# Altium PCB Booster_Main_Board.PcbDoc (part 4 of 13)
Units mm, origin at the board's own origin, x right, y up, seen from the top; angles counter-clockwise.
Board outline 400.01 x 117.51 mm, 4 copper layers (Component Side, Signal Layer 1, Power Plane, Solder Side), stack 1.604 mm thick; 1091 components, 573 nets, 3133 pads, 1954 vias.
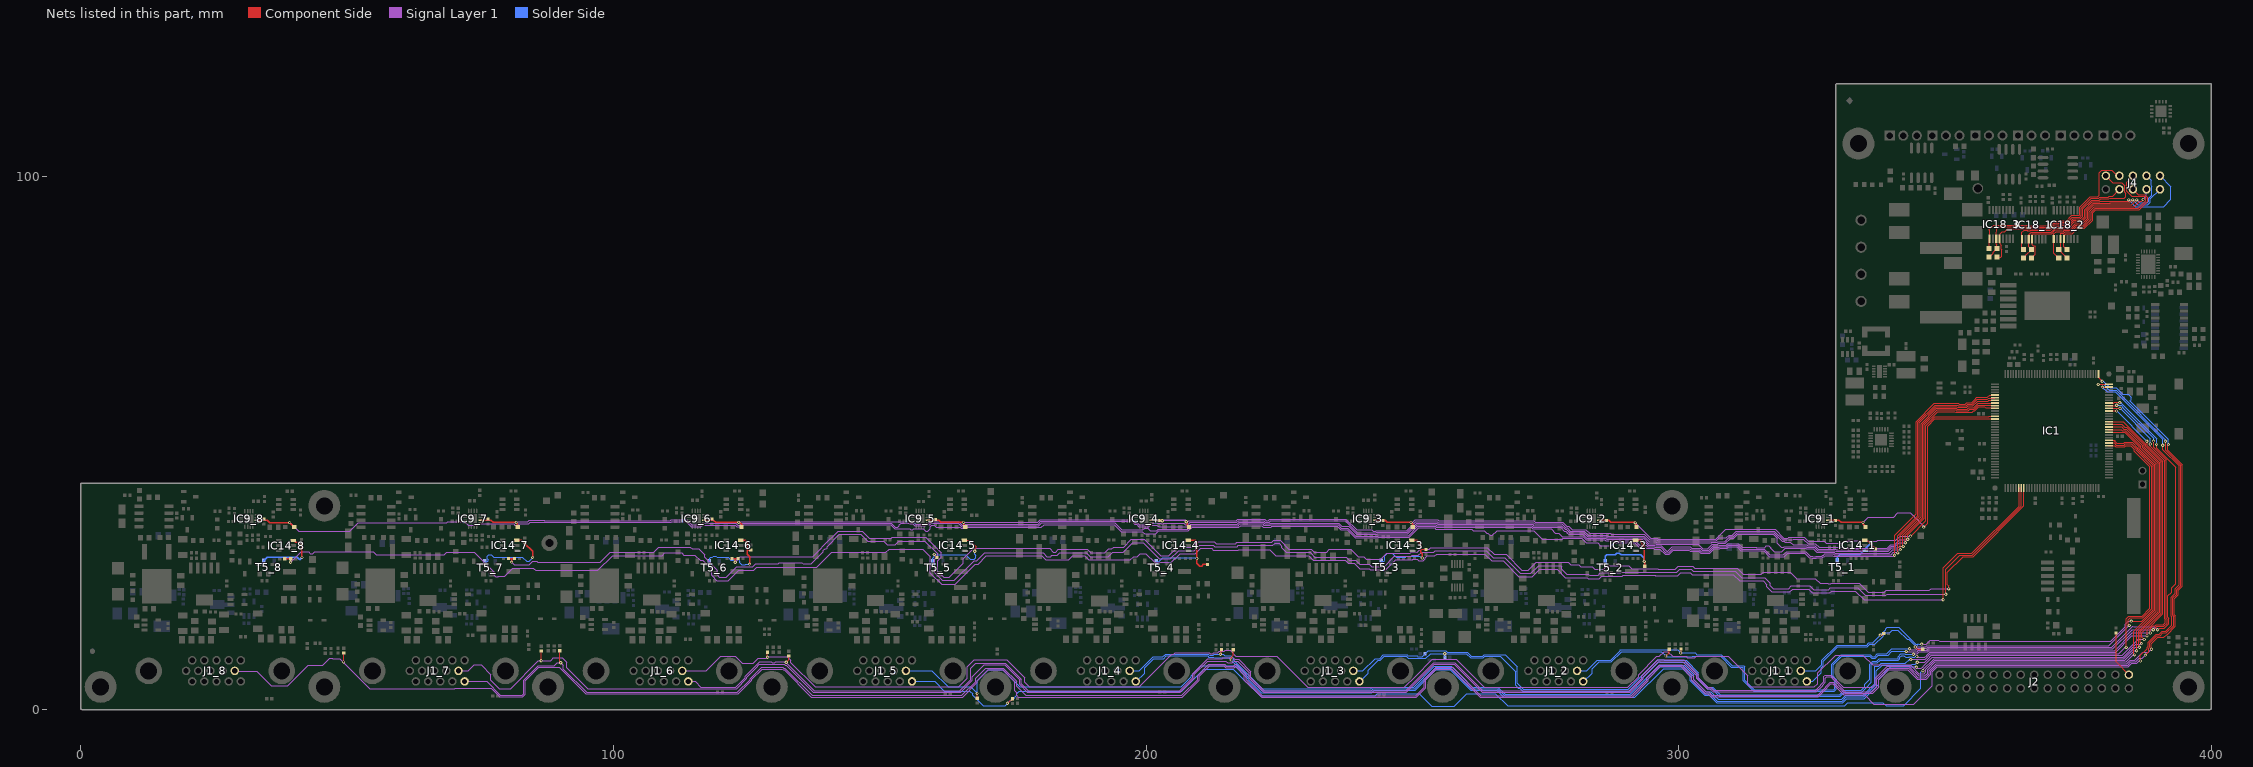
[diagram p6: the nets of this part, all layers, seen from the top]

## Via types
v1: diameter 0.6, hole 0.3, Component Side to Solder Side, tented both sides, 1808 vias
v2: diameter 0.6, hole 0.3, Component Side to Solder Side, 77 vias
v3: diameter 0.5, hole 0.3, Component Side to Solder Side, 40 vias
v4: diameter 1.27, hole 0.711, Component Side to Solder Side, tented both sides, 24 vias
v5: diameter 1.2, hole 0.8, Component Side to Solder Side, tented both sides, 5 vias

## Nets (pads, with @x,y where several pads share a name; then routed paths per layer and width w, separated by ;. In a path a pad name is that pad's centre, name@x,y a point inside that pad or via, vN(x,y) a via of type N, cw(c..) or ccw(c..) an arc to the next point about the centre after c; other vN are vias at no path point) (continued)
ADC_IN1: C79_8.1 IC1.35 J1_8.10 | length 468.8
  Component Side w0.152: v1(49.327,8.941) 49.352,8.966 C79_8.1@49.352,10.599 ; v1(379.527,60.528) 379.547,60.549 IC1.35@380.753,60.549 ; v1(386.664,9.119) 386.664,10.175 387.914,11.425 387.914,11.648 388.137,11.872 388.137,12.639 389.651,14.153 390.246,14.153 390.777,14.684 391.416,14.684 392.582,15.85 392.582,17.382 392.43,17.534 392.43,21.074 393.167,21.81 393.167,22.632 393.938,23.403 393.938,45.728 390.855,48.811 v1(390.855,49.632)
  Signal Layer 1 w0.152: J1_8.10@28.909,7.225 33.007,7.225 35.736,4.496 38.855,4.496 42.69,8.331 45.404,8.331 46.746,9.673 47.184,9.673 47.285,9.571 48.605,9.571 v1@49.093,9.083 ; v1@49.256,8.87 54.253,3.873 70.249,3.873 70.338,3.962 77.09,3.962 78.665,2.388 82.982,2.388 83.464,2.87 83.464,5.41 85.979,7.925 89.84,7.925 94.844,2.921 123.406,2.921 125.978,5.493 125.978,5.657 127.92,7.599 131.685,7.599 131.838,7.447 132.054,7.447 137.164,2.337 165.532,2.337 168.281,5.086 168.281,5.372 170.391,7.483 173.066,7.483 175.362,5.187 175.362,3.516 175.712,3.165 175.712,2.646 176.022,2.337 206.822,2.337 209.978,5.493 209.978,6.248 211.908,8.179 214.614,8.179 214.939,7.853 216.549,7.853 216.689,7.994 216.949,7.994 218.465,6.477 218.465,5.506 221.685,2.286 250.718,2.286 252.5,4.068 252.5,5.591 254.503,7.595 257.387,7.595 262.696,2.286 290.771,2.286 290.796,2.311 291.226,2.311 294.281,5.366 294.281,5.811 296.561,8.092 300.39,8.092 302.481,6.001 302.481,5.493 304.972,3.001 305.48,3.001 306.069,2.413 326.23,2.413 327.908,4.09 327.908,4.196 328.508,4.796 328.946,4.796 330.994,2.748 334.924,2.748 336.647,1.025 344.154,1.025 347.615,4.486 347.615,7.076 348.57,8.031 384.397,8.031 385.023,8.657 385.959,8.657 386.421,9.119 v1(386.664,9.119)
  Solder Side w0.152: v1(379.527,60.528) 380.416,59.639 381.975,59.639 390.835,50.78 390.835,49.652 v1(390.855,49.632)
ADC_IN2: C73_7.1 IC1.36 J1_7.5 | length 423.6
  Component Side w0.152: v1@89.941,8.788 C73_7.1@89.941,11.056 ; v1(378.752,61.049) 379.3,61.049 379.308,61.057 380.744,61.057 IC1.36@380.753,61.049 ; v1(387.604,10.211) 388.218,10.825 388.218,11.522 388.442,11.746 388.442,12.513 389.777,13.848 390.372,13.848 390.904,14.379 391.542,14.379 392.887,15.724 392.887,17.508 392.735,17.661 392.735,20.947 393.471,21.684 393.471,22.506 394.243,23.277 394.243,45.854 391.384,48.713 391.384,50.348 v1(391.363,50.368)
  Signal Layer 1 w0.152: J1_7.5@72.05,5.274 76.21,5.274 78.792,2.692 82.856,2.692 83.16,2.996 83.16,4.682 83.16,5.536 85.853,8.23 88.849,8.23 89.408,8.788 v1(90.119,8.788) 90.619,8.288 90.619,7.576 94.97,3.226 123.28,3.226 125.673,5.619 125.673,5.783 127.794,7.904 131.812,7.904 131.964,7.752 132.181,7.752 137.291,2.642 165.406,2.642 167.976,5.212 167.976,5.866 169.897,7.787 173.192,7.787 175.666,5.313 175.666,4.343 177.368,2.642 206.696,2.642 209.673,5.619 209.673,6.374 211.782,8.484 214.74,8.484 215.066,8.158 216.422,8.158 216.643,8.379 216.65,8.379 216.755,8.484 216.916,8.484 218.77,6.629 218.77,5.632 221.812,2.591 250.591,2.591 252.195,4.194 252.195,5.718 254.265,7.787 254.377,7.899 257.571,7.899 262.854,2.616 291.099,2.616 293.976,5.493 293.976,5.938 296.435,8.397 300.516,8.397 302.785,6.127 302.785,5.619 305.098,3.306 305.607,3.306 306.195,2.718 326.104,2.718 327.603,4.217 327.603,4.322 328.437,5.156 329.032,5.156 331.135,3.053 336.377,3.053 337.5,4.175 337.5,5.591 339.391,7.483 342.966,7.483 344.745,5.704 346.42,5.704 347.31,6.594 347.31,7.202 348.444,8.336 384.271,8.336 384.897,8.961 385.759,8.961 386.445,9.647 387.04,9.647 v1(387.604,10.211)
  Solder Side w0.152: v1(378.752,61.049) 378.76,61.057 379.746,61.057 380.055,60.747 380.055,60.685 380.797,59.944 382.107,59.944 382.107,59.939 391.363,50.682 v1(391.363,50.368)
ADC_IN3: C79_7.1 IC1.37 J1_7.10 | length 425.2
  Component Side w0.152: v1(86.411,9.144) 86.436,9.169 C79_7.1@86.436,11.005 ; IC1.37@378.803,62.999 378.803,62.319 v1(379.476,61.646) ; v1(388.747,11.303) 388.747,12.387 389.903,13.543 391.073,13.543 391.604,14.074 391.668,14.074 393.192,15.598 393.192,17.635 393.04,17.787 393.04,20.821 393.776,21.558 393.776,22.38 394.547,23.151 394.547,45.98 391.846,48.682 391.846,49.657 v1(391.922,49.733)
  Signal Layer 1 w0.152: J1_7.10@70.909,7.254 72.703,7.254 73.867,8.418 75.141,8.418 76.995,6.564 76.995,5.488 78.566,3.916 80.677,3.916 85.882,9.121 86.388,9.121 v1(86.411,9.144) 88.203,9.144 88.397,9.338 88.397,9.388 88.706,9.698 90.388,9.698 91.229,8.857 91.229,7.829 95.142,3.916 123.108,3.916 125.063,5.871 125.063,6.036 127.128,8.101 127.128,8.227 127.415,8.514 132.064,8.514 132.217,8.361 132.433,8.361 137.543,3.251 165.153,3.251 167.366,5.464 167.366,6.118 169.645,8.397 173.444,8.397 176.276,5.565 176.276,4.703 177.728,3.251 206.443,3.251 209.063,5.871 209.063,6.627 211.53,9.093 214.993,9.093 215.318,8.768 216.17,8.768 216.39,8.988 216.398,8.988 216.503,9.093 217.221,9.093 219.38,6.934 219.38,5.885 222.039,3.226 248.847,3.226 251.585,5.964 251.585,5.97 254.012,8.397 254.124,8.509 257.824,8.509 263.107,3.226 290.847,3.226 293.366,5.745 293.366,6.19 296.183,9.007 300.768,9.007 303.395,6.38 303.395,5.871 305.35,3.916 305.859,3.916 306.448,3.327 325.851,3.327 326.993,4.469 326.993,4.574 327.499,5.08 327.499,5.859 327.782,6.142 328.503,6.142 331.287,3.358 336.251,3.358 337.195,4.302 337.195,5.718 339.265,7.787 343.138,7.787 344.528,6.397 ; 344.508,6.377 344.876,6.009 346.293,6.009 347.005,6.721 347.005,7.329 348.317,8.641 384.145,8.641 384.77,9.266 385.633,9.266 387.106,10.739 388.183,10.739 v1(388.747,11.303)
  Solder Side w0.152: v1(379.476,61.646) 379.73,61.646 381,60.376 382.168,60.376 383.388,59.157 384.389,59.157 384.907,58.639 384.907,58.201 384.805,58.099 384.805,57.841 391.892,50.754 391.892,49.763 v1(391.922,49.733)
ADC_IN4: C73_6.1 IC1.18 J1_6.5 | length 356.2
  Component Side w0.152: v1(132.436,8.89) 132.918,9.373 C73_6.1@132.918,10.066 ; IC1.18@380.753,52.049 383.714,52.049 386.466,49.297 386.466,48.889 389.382,45.973 389.382,18.625 385.424,14.667 385.424,10.409 v1(385.572,10.262)
  Signal Layer 1 w0.152: J1_6.5@114.05,5.274 115.325,5.274 116.378,4.221 122.981,4.221 124.758,5.998 124.758,6.289 127.476,9.007 128.55,9.007 128.585,8.971 129.276,8.971 129.311,9.007 129.666,9.007 129.854,8.819 130.292,8.819 130.48,9.007 v1@132.219,9.007 ; v1@132.386,8.84 137.669,3.556 165.027,3.556 167.061,5.591 167.061,7.769 167.995,8.702 173.571,8.702 176.581,5.692 176.581,4.829 177.854,3.556 206.317,3.556 208.758,5.998 208.758,6.753 211.561,9.555 214.289,9.555 214.416,9.682 215.559,9.682 215.701,9.825 216.187,9.825 216.614,9.398 217.399,9.398 219.685,7.112 219.685,6.011 222.165,3.531 248.721,3.531 251.28,6.09 251.28,6.096 253.886,8.702 253.998,8.814 257.95,8.814 263.233,3.531 290.721,3.531 293.061,5.871 293.061,6.316 296.056,9.311 300.895,9.311 303.7,6.506 303.7,5.998 305.477,4.221 305.985,4.221 306.57,3.636 325.729,3.636 326.688,4.595 326.688,4.701 327.194,5.206 327.194,6.214 327.457,6.477 328.599,6.477 330.855,4.221 336.351,4.221 336.89,4.76 336.89,5.844 339.138,8.092 343.265,8.092 343.478,7.879 343.504,7.879 345.022,6.361 346.214,6.361 346.7,6.847 346.7,7.455 348.191,8.946 384.019,8.946 385.335,10.262 v1(385.572,10.262)
ADC_IN5: C79_6.1 IC1.19 J1_6.10 | length 357.8
  Component Side w0.152: v1@128.905,9.804 C79_6.1@128.905,10.777 ; v1@128.93,9.627 v1(128.93,9.804) ; IC1.19@380.753,52.549 383.092,52.549 383.287,52.353 383.84,52.353 386.771,49.423 386.771,49.016 389.687,46.1 389.687,18.498 385.953,14.765 v1(385.953,11.049)
  Signal Layer 1 w0.152: J1_6.10@112.909,7.254 117.423,7.254 120.152,9.983 122.855,9.983 124.176,8.661 126.269,8.661 127.224,9.616 128.742,9.616 v1(128.93,9.804) 129.002,9.876 132.628,9.876 133.269,9.235 133.269,8.819 137.842,4.245 164.854,4.245 166.452,5.843 166.452,8.021 167.742,9.311 173.823,9.311 177.19,5.944 177.19,5.082 178.027,4.245 198.708,4.245 204.797,10.335 205.152,10.335 205.473,10.655 211.863,10.655 212.049,10.47 212.487,10.47 212.672,10.655 213.463,10.655 213.725,10.917 214.69,10.917 214.894,11.12 215.754,11.12 216.867,10.008 217.653,10.008 217.678,9.983 224.5,9.983 230.342,4.14 248.468,4.14 250.671,6.343 250.671,6.349 253.633,9.311 253.745,9.423 258.202,9.423 263.486,4.14 290.468,4.14 292.452,6.124 292.452,6.569 295.866,9.983 296.332,9.983 297.241,10.892 297.932,10.892 298.841,9.983 301.358,9.983 301.587,9.754 303.035,9.754 303.264,9.983 308.862,9.983 309.245,9.982 312.928,6.299 312.928,4.734 313.417,4.245 325.476,4.245 326.079,4.848 326.079,6.877 329.438,10.236 334.537,10.236 336.376,8.397 343.417,8.397 343.561,8.253 343.599,8.215 345.078,6.736 346.065,6.736 346.396,7.066 346.396,7.581 348.065,9.25 383.748,9.25 385.547,11.049 v1(385.953,11.049)
ADC_IN6: C73_5.1 IC1.20 J1_5.5 | length 297.9
  Component Side w0.152: v1(173.959,1.188) 174.024,1.188 174.525,1.689 174.568,1.689 174.752,1.872 C73_5.1@174.93,1.872 ; IC1.20@380.753,53.049 383.171,53.049 383.561,52.658 383.966,52.658 387.075,49.549 387.075,49.142 389.992,46.226 389.992,18.372 386.329,14.71 386.329,11.841 v1(386.486,11.684)
  Signal Layer 1 w0.152: v1(345.846,7.264) 345.846,7.412 345.821,7.438 347.939,9.555 383.57,9.555 385.674,11.659 386.461,11.659 v1(386.486,11.684)
  Solder Side w0.152: J1_5.5@155.558,5.274 J1_5.5@156.05,5.274 160.335,5.274 162.129,3.48 166.903,3.48 167.442,2.942 167.442,2.677 169.398,0.721 173.571,0.721 173.959,1.109 v1(173.959,1.188) 174.735,1.964 175.022,1.964 175.712,2.654 175.712,2.992 176.2,3.48 206.672,3.48 210.787,7.595 216.377,7.595 221.406,2.565 243.002,2.565 243.438,3.001 251.28,3.001 253.629,0.653 257.828,0.653 260.176,3.001 265.556,3.001 267.871,0.686 331.114,0.686 331.724,1.295 338.333,1.295 338.908,0.721 342.192,0.721 345.465,3.994 345.465,6.985 345.77,7.29 345.796,7.264 v1(345.846,7.264)
ADC_IN7: C79_5.1 IC1.21 J1_5.10 | length 306.1
  Component Side w0.152: v1(168.275,3.023) 168.275,2.155 C79_5.1@168.285,2.146 ; IC1.21@380.753,53.549 383.154,53.549 383.739,52.963 384.093,52.963 387.38,49.675 387.38,49.268 390.296,46.352 390.296,18.246 386.634,14.584 386.634,12.629 v1(386.893,12.37)
  Signal Layer 1 w0.152: v1@344.588,7.752 345.557,7.752 345.867,8.061 345.867,8.106 347.621,9.86 383.444,9.86 385.797,12.213 386.736,12.213 v1(386.893,12.37)
  Solder Side w0.152: J1_5.10@154.909,7.254 159.802,7.254 162.81,4.245 167.052,4.245 v1(168.275,3.023) 168.275,5.367 170.391,7.483 173.066,7.483 176.303,4.245 206.575,4.245 208.454,6.124 208.454,6.346 210.312,8.204 216.629,8.204 221.658,3.175 242.367,3.175 242.803,3.611 250.519,3.611 254.391,7.483 257.066,7.483 260.937,3.611 265.808,3.611 267.159,2.261 291.738,2.261 297.178,7.701 300.736,7.701 302.176,6.261 302.176,5.366 304.845,2.697 305.74,2.697 307.141,1.295 330.814,1.295 331.576,2.057 334.844,2.057 337.5,4.713 337.5,5.709 339.792,8.001 344.56,8.001 v1(344.588,7.973)
ADC_IN8: C73_4.1 IC1.22 J1_4.5 | length 260.6
  Component Side w0.152: v1(215.951,9.296) 215.951,9.72 216.383,10.152 C73_4.1@216.383,11.209 ; IC1.22@380.753,54.049 383.438,54.049 387.685,49.802 387.685,49.394 390.601,46.478 390.601,18.12 386.939,14.457 386.939,13.594 v1(387.375,13.157)
  Signal Layer 1 w0.152: v1(344.78,8.89) 346.186,8.89 347.137,9.841 347.137,9.941 347.361,10.165 383.276,10.165 386.269,13.157 v1(387.375,13.157)
  Solder Side w0.152: J1_4.5@198.05,5.274 198.178,5.274 199.732,6.828 199.732,7.852 201.456,9.576 203.287,9.576 203.795,10.084 211.573,10.084 211.796,9.86 212.739,9.86 212.841,9.758 215.489,9.758 v1(215.951,9.296) 215.968,9.296 221.708,3.556 242.271,3.556 242.631,3.916 250.393,3.916 254.265,7.787 257.192,7.787 261.063,3.916 265.935,3.916 267.285,2.565 291.058,2.565 296.498,8.006 300.862,8.006 302.481,6.387 302.481,5.493 304.972,3.001 305.866,3.001 307.268,1.6 330.688,1.6 331.45,2.362 334.718,2.362 336.177,3.821 336.177,3.832 337.064,4.719 337.064,7.245 338.171,8.352 343.646,8.352 343.796,8.502 344.391,8.502 v1(344.78,8.89)
ADC_IN9: C79_4.1 IC1.13 J1_4.10 | length 254.8
  Component Side w0.152: v1(213.944,10.389) 214.147,10.592 C79_4.1@214.147,11.259 ; IC1.13@380.753,49.549 381.81,49.549 382.002,49.357 383.757,49.357 383.949,49.549 384.844,49.549 385.551,48.841 385.551,48.511 388.468,45.594 388.468,19.003 386.968,17.504 384.483,17.504 384.023,17.043 v1(384.023,11.659)
  Signal Layer 1 w0.152: v1(343.535,9.373) 343.591,9.428 346.293,9.428 346.832,9.967 346.832,10.067 347.234,10.47 382.605,10.47 383.794,11.659 v1(384.023,11.659)
  Solder Side w0.152: J1_4.10@196.909,7.254 198.703,7.254 201.33,9.881 203.161,9.881 203.669,10.389 211.699,10.389 211.923,10.165 212.613,10.165 212.837,10.389 v1(213.944,10.389) 214.475,10.389 214.8,10.063 215.932,10.063 216.479,9.515 216.479,9.216 221.809,3.886 242.171,3.886 242.505,4.221 250.267,4.221 254.138,8.092 257.318,8.092 261.19,4.221 266.061,4.221 267.411,2.87 290.932,2.87 296.372,8.311 300.988,8.311 302.785,6.513 302.785,5.619 305.098,3.306 305.993,3.306 307.394,1.905 330.561,1.905 331.323,2.667 334.592,2.667 335.872,3.947 335.872,3.958 336.759,4.845 336.759,8.119 336.768,8.128 337.516,8.128 338.045,8.657 342.565,8.657 343.332,9.423 343.383,9.373 v1(343.535,9.373)
ADC_IN10: C73_3.1 IC1.26 J1_3.5 | length 217.4
  Component Side w0.152: v1(256.057,10.49) v1@256.083,10.516 ; IC1.26@380.753,56.049 v1(382.203,56.049) ; v1(387.883,50.368) 387.99,50.262 387.99,49.521 390.906,46.605 390.906,17.993 387.909,14.996 v1(387.909,13.818)
  Signal Layer 1 w0.152: v1(344.703,9.957) 344.876,9.784 346.218,9.784 346.527,10.093 346.527,10.194 347.108,10.774 381.995,10.774 385.039,13.818 v1(387.909,13.818)
  Solder Side w0.152: J1_3.5@240.05,5.274 240.178,5.274 241.732,6.828 241.732,7.417 243.591,9.276 243.975,9.276 244.682,9.983 248.853,9.983 249.194,9.642 252.544,9.642 253.392,10.49 v1(256.057,10.49) ; C73_3.1@256.115,9.82 256.057,9.878 256.057,10.485 260.134,10.485 260.911,9.708 263.328,9.708 263.603,9.983 266.522,9.983 269.367,7.137 269.367,4.547 269.875,4.039 270.155,4.039 270.714,3.48 290.672,3.48 296.199,9.007 296.419,9.007 296.505,8.92 301.241,8.92 303.395,6.766 303.395,5.871 305.35,3.916 306.245,3.916 307.646,2.515 330.309,2.515 331.071,3.277 334.339,3.277 334.518,3.455 334.518,3.464 335.263,4.208 ; 335.262,4.209 336.149,5.097 336.149,8.371 336.516,8.738 337.263,8.738 337.792,9.266 341.245,9.266 341.508,9.529 341.508,9.795 341.843,10.13 342.281,10.13 342.576,9.835 343.249,9.835 343.316,9.901 343.757,9.901 343.824,9.835 344.262,9.835 344.544,10.116 v1(344.703,9.957) ; v1(382.203,56.049) v1(387.883,50.368)
ADC_IN11: C79_3.1 IC1.27 J1_3.10 | length 218.9
  Component Side w0.152: IC1.27@380.753,56.549 380.781,56.577 382.808,56.577 v1(382.837,56.549) ; v1(388.518,14.376) 388.518,15.175 389.041,15.697 389.434,15.697 389.639,15.903 390.911,15.903 391.321,16.313 391.321,16.919 391.211,17.029 391.211,46.731 388.518,49.423 v1(388.518,49.86)
  Signal Layer 1 w0.152: v1(344.043,10.363) 344.165,10.485 344.759,10.485 345.124,10.851 346.748,10.851 346.977,11.079 381.868,11.079 385.166,14.376 v1(388.518,14.376)
  Solder Side w0.152: J1_3.10@238.909,7.254 240.703,7.254 243.03,9.581 243.849,9.581 244.556,10.287 248.98,10.287 249.142,10.125 250.857,10.125 251.035,9.947 251.857,9.947 252.368,10.458 252.929,11.019 256.276,11.019 256.505,10.79 260.286,10.79 261.063,10.012 263.202,10.012 263.477,10.287 267.462,10.287 269.697,8.052 269.697,4.928 270.84,3.785 290.545,3.785 296.072,9.311 297.155,9.311 297.241,9.225 301.367,9.225 303.7,6.892 303.7,5.998 305.477,4.221 306.371,4.221 307.773,2.819 330.183,2.819 330.945,3.581 334.213,3.581 334.213,3.59 334.899,4.276 334.899,4.709 335.845,5.655 335.845,8.497 336.39,9.042 337.137,9.042 337.666,9.571 341.119,9.571 341.203,9.655 341.203,9.921 341.717,10.435 342.437,10.435 342.478,10.393 344.013,10.393 v1(344.043,10.363) ; v1(382.837,56.549) 388.518,50.867 v1(388.518,49.86)
ADC_IN12: C73_2.1 IC1.28 J1_2.5 | length 174.5
  Component Side w0.152: v1(297.586,10.058) 298.221,10.693 C73_2.1@298.221,11.336 ; IC1.28@380.753,57.049 382.219,57.049 v1(382.219,57.125) ; v1@389.128,15.011 389.509,15.392 389.56,15.392 389.766,15.598 391.037,15.598 391.668,16.229 391.668,17.003 391.516,17.156 391.516,46.857 389.128,49.245 v1(389.128,50.394)
  Signal Layer 1 w0.152: v1(342.697,10.922) 342.727,10.892 344.734,10.892 344.998,11.155 346.622,11.155 346.851,11.384 381.513,11.384 385.115,14.986 v1(389.077,14.986)
  Solder Side w0.152: J1_2.5@282.05,5.274 282.178,5.274 283.732,6.828 283.732,7.673 285.033,8.974 287.353,8.974 289.271,10.892 296.753,10.892 v1(297.586,10.058) 297.759,9.885 302.549,9.885 302.646,9.983 307.863,9.983 309.89,7.956 312.084,7.956 312.119,7.922 312.119,5.401 314.091,3.429 329.181,3.429 329.561,3.809 329.561,5.557 329.179,5.939 329.179,6.085 328.995,6.269 328.995,8.384 330.593,9.983 335.864,9.983 336.194,9.652 336.885,9.652 337.413,10.181 339.288,10.181 340.025,10.917 342.692,10.917 v1(342.697,10.922) ; v1(382.219,57.125) 382.24,57.104 383.029,57.104 383.366,56.768 383.366,56.664 389.128,50.902 v1(389.128,50.394)
ADC_IN13: C79_2.1 IC1.29 J1_2.10 | length 176.6
  Component Side w0.152: v1(300.38,10.617) 300.431,10.668 C79_2.1@300.431,11.361 ; IC1.29@380.753,57.549 381.683,57.549 381.787,57.653 382.783,57.653 v1(382.803,57.633) ; v1(389.712,49.784) 389.712,49.091 393.328,45.475 393.328,23.656 392.557,22.885 392.557,22.063 391.82,21.326 391.82,17.282 391.973,17.13 391.973,16.103 391.163,15.293 390.268,15.293 389.96,14.986 v1(389.901,14.986)
  Signal Layer 1 w0.152: v1(343.332,11.43) 343.565,11.197 344.583,11.197 344.592,11.206 344.618,11.206 344.872,11.46 346.496,11.46 346.724,11.689 381.259,11.689 385.242,15.672 385.399,15.515 389.296,15.515 389.825,14.986 v1(389.901,14.986)
  Solder Side w0.152: J1_2.10@280.909,7.254 282.703,7.254 284.728,9.279 287.227,9.279 288.978,11.029 288.978,11.168 289.006,11.197 299.801,11.197 v1(300.38,10.617) 303.078,10.617 303.408,10.287 307.99,10.287 310.016,8.261 312.211,8.261 312.423,8.048 312.423,5.527 314.217,3.734 329.055,3.734 329.256,3.935 329.256,5.431 328.874,5.813 328.874,5.959 328.69,6.143 328.69,8.51 330.467,10.287 335.99,10.287 336.321,9.957 336.758,9.957 337.287,10.485 339.009,10.485 339.974,11.451 342.916,11.451 342.992,11.374 343.302,11.374 343.332,11.405 v1(343.332,11.43) ; v1(382.803,57.633) 382.956,57.633 389.712,50.876 v1(389.712,49.784)
ADC_IN14: C73_1.1 IC1.14 J1_1.5 | length 113.8
  Component Side w0.152: v1(344.399,11.735) 344.83,11.303 C73_1.1@345.828,11.303 ; IC1.14@380.753,50.049 381.741,50.049 382.128,49.662 383.631,49.662 383.823,49.853 384.97,49.853 385.856,48.967 385.856,48.637 388.772,45.721 388.772,18.877 387.094,17.199 384.777,17.199 384.408,16.831 384.408,15.946 v1(384.556,15.799)
  Signal Layer 1 w0.152: v1(344.399,11.735) 344.429,11.765 346.369,11.765 346.598,11.994 380.751,11.994 v1(384.556,15.799)
  Solder Side w0.152: J1_1.5@324.05,5.274 325.178,5.274 326.771,6.867 326.771,7.891 327.127,8.246 327.127,9.103 329.835,11.811 335.394,11.811 335.816,12.233 336.831,12.233 338.349,13.751 338.349,13.914 338.837,14.402 339.584,14.402 340.113,14.93 341.138,14.93 342.878,13.191 343.157,13.191 344.399,11.949 v1(344.399,11.735)
ADC_IN15: C79_1.1 IC1.15 J1_1.10 | length 113.4
  Component Side w0.152: v1(337.82,13.97) 338.157,13.97 C79_1.1@338.462,14.275 ; IC1.15@380.753,50.549 381.81,50.549 381.894,50.465 381.894,50.327 382.254,49.967 383.505,49.967 383.697,50.158 385.096,50.158 386.161,49.093 386.161,48.763 389.077,45.847 389.077,18.751 386.938,16.612 v1(384.937,16.612)
  Signal Layer 1 w0.152: v1(345.618,12.294) 346.467,12.294 347.224,13.051 348.682,13.051 348.956,12.776 381.076,12.776 383.819,15.519 383.819,16.027 384.404,16.612 v1(384.937,16.612)
  Solder Side w0.152: J1_1.10@322.909,7.254 325.703,7.254 326.822,8.373 326.822,9.229 329.709,12.116 335.267,12.116 335.689,12.538 336.413,12.538 337.833,13.957 338.837,14.961 338.837,15.149 339.146,15.459 341.324,15.459 344.51,12.273 344.633,12.273 344.791,12.116 344.994,12.319 345.019,12.294 v1(345.618,12.294)
ALERTN_CH0: IC1.77 IC9_8.2 LD4_8.1 R57_8.1 | length 367
  Component Side w0.152: v1@39.116,35.106 v1(39.192,35.106) ; v1(340.512,28.956) 340.512,32.704 344.584,36.776 344.584,54.057 347.988,57.462 352.486,57.462 352.615,57.333 353.81,57.333 354.08,57.602 354.97,57.602 355.56,58.192 355.98,58.613 357.918,58.613 358.354,59.049 IC1.77@359.353,59.049
  Component Side w0.254: IC9_8.2@33.047,35.535 35.001,35.535 35.43,35.106 v1@39.116,35.106 ; v1(39.192,35.106) 39.201,35.106 LD4_8.1@40.053,34.254 40.073,34.234 LD4_8.1@40.151,34.234
  Signal Layer 1 w0.152: v1@39.192,35.154 40.894,33.452 50.495,33.452 52.069,35.025 68.68,35.025 68.934,35.279 72.027,35.279 72.712,34.595 74.537,34.595 74.778,34.835 81.274,34.835 81.504,34.606 81.942,34.606 82.256,34.921 84.073,34.921 84.352,35.199 86.854,35.199 86.883,35.171 110.825,35.171 110.934,35.279 113.677,35.279 114.616,34.341 116.423,34.341 116.726,34.644 122.832,34.644 123.175,34.301 123.865,34.301 124.256,34.692 152.033,34.692 152.807,33.917 155.657,33.917 155.788,33.787 156.226,33.787 156.356,33.917 158.168,33.917 158.583,33.503 159.015,33.503 159.456,33.944 159.456,34.322 159.776,34.641 160.214,34.641 160.634,34.22 165.027,34.22 165.251,33.997 166.194,33.997 166.418,34.22 168.021,34.22 168.03,34.211 180.352,34.211 180.858,34.717 194.008,34.717 195.319,33.406 199.298,33.406 199.704,32.999 201.835,32.999 202.364,33.528 207.954,33.528 208.628,34.201 217.4,34.201 217.731,34.533 221.728,34.533 222.004,34.256 223.452,34.256 223.561,34.365 235.929,34.365 236.518,33.776 237.753,33.776 239.266,32.263 243.616,32.263 243.719,32.366 244.409,32.366 244.444,32.331 249.391,32.331 251.142,34.083 254.147,34.083 254.336,33.894 261.147,33.894 261.462,33.579 263.516,33.579 263.969,33.126 264.155,33.126 264.576,32.705 265.014,32.705 265.896,33.587 272.748,33.587 274.357,31.979 276.037,31.979 276.058,31.999 276.748,31.999 276.769,31.979 278.141,31.979 278.283,32.121 278.873,32.121 281.823,32.121 282.656,31.288 284.749,31.288 285.263,30.773 287.356,30.773 287.925,31.342 291.736,31.342 292.567,30.511 293.748,30.511 294.023,30.237 295.283,30.237 295.399,30.121 296.46,30.121 297.465,29.116 298.2,29.116 299.005,29.921 301.906,29.921 302.15,29.677 303.764,29.677 304.13,29.311 305.843,29.311 306.68,30.149 307.711,30.149 307.832,30.27 309.147,30.27 309.408,30.531 310.948,30.531 311.661,29.818 314.291,29.818 314.317,29.793 315.916,29.793 316.999,28.71 319.78,28.71 320.427,29.358 323.637,29.358 324.507,28.487 324.916,28.487 325.016,28.387 325.84,28.387 325.94,28.487 326.928,28.487 327.112,28.672 327.325,28.672 327.553,28.9 328.92,28.9 329.06,28.761 340.318,28.761 v1(340.512,28.956)
ALERTN_CH1: IC1.78 IC9_7.2 LD4_7.1 R57_7.1 | length 320.9
  Component Side w0.152: v1(341.122,29.413) 341.076,29.459 341.076,32.601 344.889,36.414 344.889,53.931 348.115,57.157 352.359,57.157 352.488,57.028 353.936,57.028 354.206,57.298 355.096,57.298 356.019,58.221 357.957,58.221 358.181,58.444 359.248,58.444 IC1.78@359.353,58.549
  Component Side w0.254: IC9_7.2@75.047,35.564 76.983,35.564 77.413,35.135 v1(81.723,35.135) 81.98,34.877 81.98,34.434 LD4_7.1@82.151,34.263
  Signal Layer 1 w0.152: v1(81.723,35.135) 81.813,35.225 83.947,35.225 84.226,35.504 86.981,35.504 87.009,35.475 110.699,35.475 110.807,35.584 113.803,35.584 114.742,34.646 116.296,34.646 116.6,34.949 122.958,34.949 123.301,34.606 123.739,34.606 124.129,34.996 152.176,34.996 152.624,34.549 152.624,34.532 152.934,34.222 153.372,34.222 153.681,34.532 153.681,34.682 153.995,34.996 155.474,34.996 155.627,34.844 156.226,34.844 156.589,34.481 158.498,34.481 158.709,34.692 159.384,34.692 159.638,34.946 164.733,34.946 165.377,34.301 166.068,34.301 166.292,34.525 168.147,34.525 168.156,34.516 179.869,34.516 180.375,35.022 194.134,35.022 195.445,33.711 199.358,33.711 199.704,34.057 200.324,34.057 200.797,33.584 201.235,33.584 201.238,33.587 201.992,33.587 202.238,33.833 207.828,33.833 208.501,34.506 217.273,34.506 217.605,34.837 221.854,34.837 222.13,34.561 223.326,34.561 223.435,34.67 236.055,34.67 236.644,34.081 237.879,34.081 239.392,32.568 243.49,32.568 243.592,32.67 244.535,32.67 244.554,32.652 249.28,32.652 251.016,34.387 254.273,34.387 254.462,34.198 261.273,34.198 261.288,34.184 272.296,34.184 272.546,33.933 276.023,33.933 276.848,33.108 277.429,33.108 278.111,32.425 278.747,32.425 282.03,32.425 282.624,31.831 286.133,31.831 286.317,31.647 291.863,31.647 292.694,30.816 293.874,30.816 294.149,30.542 295.409,30.542 295.525,30.426 296.586,30.426 297.592,29.421 298.073,29.421 298.879,30.226 302.033,30.226 302.277,29.982 303.89,29.982 304.257,29.616 305.716,29.616 306.554,30.453 307.584,30.453 307.705,30.574 309.02,30.574 309.282,30.836 311.075,30.836 311.787,30.123 314.418,30.123 314.443,30.098 316.042,30.098 317.125,29.015 319.654,29.015 320.301,29.662 323.821,29.662 324.691,28.792 325.042,28.792 325.142,28.692 325.713,28.692 325.813,28.792 326.802,28.792 327.015,29.006 327.228,29.006 327.427,29.205 329.047,29.205 329.186,29.066 339.875,29.066 340.293,29.485 341.051,29.485 v1(341.122,29.413)
ALERTN_CH2: IC1.79 IC9_6.2 LD4_6.1 R57_6.1 | length 276.3
  Component Side w0.152: v1(341.605,30.023) 341.605,32.699 345.193,36.287 345.193,53.805 348.241,56.852 352.233,56.852 352.362,56.723 354.063,56.723 354.332,56.993 355.222,56.993 356.145,57.916 358.083,57.916 358.207,58.039 359.343,58.039 IC1.79@359.353,58.049
  Component Side w0.254: IC9_6.2@117.047,35.564 118.773,35.564 119.202,35.135 v1(123.52,35.135) 123.723,35.135 124.044,34.813 124.044,34.37 124.151,34.263 124.142,34.254 LD4_6.1@124.053,34.254
  Signal Layer 1 w0.152: v1(123.52,35.135) 123.687,35.301 155.6,35.301 155.753,35.149 156.352,35.149 156.715,34.785 158.372,34.785 158.583,34.996 159.258,34.996 159.512,35.25 164.859,35.25 165.504,34.606 165.942,34.606 166.165,34.83 168.273,34.83 168.283,34.821 179.743,34.821 180.249,35.327 197.308,35.327 197.867,34.768 198.212,34.768 198.618,34.361 200.517,34.361 200.797,34.641 200.91,34.641 200.913,34.644 201.992,34.644 202.335,34.301 207.866,34.301 208.375,34.811 217.147,34.811 217.479,35.142 221.98,35.142 222.257,34.866 223.2,34.866 223.308,34.975 234.873,34.975 234.894,34.996 236.159,34.996 236.77,34.386 238.006,34.386 239.519,32.872 243.363,32.872 243.466,32.975 244.662,32.975 244.68,32.957 249.154,32.957 250.89,34.692 254.399,34.692 254.588,34.503 261.4,34.503 261.414,34.488 272.422,34.488 272.672,34.238 277.812,34.238 278.543,33.507 278.756,33.507 279.102,33.162 279.102,33.097 279.331,32.868 282.018,32.868 282.751,32.135 286.259,32.135 286.443,31.952 293.17,31.952 294.275,30.846 295.535,30.846 295.651,30.731 296.713,30.731 297.718,29.725 297.947,29.725 298.753,30.531 302.159,30.531 302.403,30.287 304.017,30.287 304.383,29.921 305.59,29.921 306.428,30.758 307.458,30.758 307.579,30.879 308.894,30.879 309.155,31.14 311.201,31.14 311.913,30.428 314.544,30.428 314.563,30.409 316.148,30.409 316.468,30.729 316.936,30.729 317.302,30.363 317.302,30.261 317.941,29.621 319.314,29.621 319.969,30.277 323.828,30.277 323.922,30.183 325.276,30.183 325.949,29.51 329.173,29.51 329.312,29.371 339.479,29.371 340.131,30.023 v1(341.605,30.023)
ALERTN_CH3: IC1.80 IC9_5.2 LD4_5.1 R57_5.1 | length 232.9
  Component Side w0.152: v1(342.138,30.632) 342.016,30.755 342.016,32.679 345.498,36.161 345.498,53.678 348.367,56.547 352.107,56.547 352.236,56.418 354.189,56.418 354.459,56.688 355.349,56.688 356.209,57.549 IC1.80@359.353,57.549
  Component Side w0.254: IC9_5.2@159.047,35.564 161.039,35.564 161.468,35.135 v1(165.723,35.135) 165.723,34.591 166.053,34.26 LD4_5.1@166.053,34.254
  Signal Layer 1 w0.152: v1(165.723,35.135) 168.399,35.135 168.409,35.125 179.616,35.125 180.123,35.631 197.434,35.631 197.993,35.073 198.338,35.073 198.745,34.666 200.391,34.666 200.67,34.946 200.783,34.946 200.787,34.949 202.793,34.949 202.827,34.915 203.265,34.915 203.299,34.949 207.085,34.949 207.309,34.725 207.858,34.725 208.249,35.116 217.021,35.116 217.359,35.454 222.1,35.454 222.383,35.171 223.073,35.171 223.356,35.454 237.379,35.454 239.655,33.177 243.237,33.177 243.34,33.28 244.788,33.28 244.807,33.261 249.028,33.261 250.763,34.997 254.525,34.997 254.714,34.808 261.526,34.808 261.541,34.793 272.548,34.793 272.799,34.543 277.938,34.543 278.669,33.812 278.882,33.812 279.522,33.172 282.145,33.172 282.877,32.44 286.386,32.44 286.569,32.257 293.296,32.257 294.401,31.151 295.661,31.151 295.777,31.035 303.699,31.035 304.509,30.225 305.464,30.225 306.302,31.063 307.332,31.063 307.453,31.184 308.768,31.184 309.72,32.136 310.333,32.136 311.089,32.892 317.711,32.892 318.445,32.158 318.445,31.263 319.248,30.459 319.721,30.459 319.843,30.582 323.954,30.582 324.048,30.487 325.402,30.487 326.075,29.815 329.299,29.815 329.438,29.676 339.353,29.676 340.005,30.328 341.147,30.328 341.452,30.632 v1(342.138,30.632)
ALERTN_CH4: IC1.81 IC9_4.2 LD4_4.1 R57_4.1 | length 188.2
  Component Side w0.152: v1(342.544,31.318) 342.473,31.39 342.473,32.705 345.803,36.035 345.803,53.552 348.493,56.243 351.981,56.243 352.11,56.113 354.315,56.113 354.585,56.383 355.475,56.383 356.237,57.145 359.256,57.145 IC1.81@359.353,57.049
  Component Side w0.254: IC9_4.2@201.047,35.564 202.197,35.564 R57_4.1@202.326,35.435 ; R57_4.1@202.413,35.522 202.968,35.522 v1(203.046,35.444) ; v1(207.528,35.254) 207.603,35.254 207.728,35.129 207.728,34.579 LD4_4.1@208.053,34.254
  Signal Layer 1 w0.152: v1(207.528,35.254) 207.842,35.254 208.008,35.421 216.895,35.421 217.233,35.758 222.226,35.758 222.509,35.475 222.947,35.475 223.23,35.758 237.505,35.758 239.502,33.761 242.398,33.761 242.678,33.482 243.111,33.482 243.214,33.585 244.914,33.585 244.933,33.566 248.901,33.566 250.637,35.302 254.652,35.302 254.841,35.113 261.652,35.113 261.667,35.098 272.675,35.098 272.925,34.848 278.064,34.848 278.795,34.117 279.03,34.117 279.669,33.477 282.271,33.477 283.003,32.745 286.512,32.745 286.695,32.562 293.434,32.562 294.466,31.53 295.714,31.53 295.904,31.34 306.148,31.34 306.175,31.368 307.206,31.368 307.327,31.489 308.642,31.489 309.593,32.441 310.207,32.441 310.963,33.197 317.837,33.197 319.46,31.574 319.778,31.574 319.911,31.441 320.955,31.441 321.451,30.946 321.889,30.946 321.906,30.963 324.004,30.963 324.174,30.792 325.529,30.792 326.201,30.12 329.425,30.12 329.565,29.98 339.227,29.98 339.879,30.632 340.665,30.632 341.351,31.318 v1(342.544,31.318)
  Signal Layer 1 w0.254: v1(203.046,35.444) 203.106,35.504 207.353,35.504 207.528,35.33 v1(207.528,35.254)
ALERTN_CH5: IC1.82 IC9_3.2 LD4_3.1 R57_3.1 | length 143.4
  Component Side w0.152: v1(343.002,31.953) 342.981,31.974 342.981,32.782 346.108,35.909 346.108,53.426 348.62,55.938 351.854,55.938 351.983,55.809 355.086,55.809 355.356,56.078 355.601,56.078 356.363,56.84 357.394,56.84 357.597,56.637 359.264,56.637 IC1.82@359.353,56.549
  Component Side w0.254: IC9_3.2@243.047,35.564 244.197,35.564 R57_3.1@244.239,35.522 ; R57_3.1@244.424,35.522 244.875,35.522 245.262,35.135 v1(249.723,35.135) 249.747,35.135 250.053,34.829 LD4_3.1@250.053,34.254
  Signal Layer 1 w0.152: v1(249.723,35.135) 250.039,35.135 250.511,35.607 254.778,35.607 254.967,35.418 264.206,35.418 264.221,35.403 272.801,35.403 273.051,35.152 278.222,35.152 278.952,34.422 279.334,34.422 279.974,33.782 282.565,33.782 283.297,33.05 287.111,33.05 287.294,32.866 293.56,32.866 294.592,31.834 295.84,31.834 296.03,31.645 306.021,31.645 306.049,31.673 307.079,31.673 307.632,32.225 308.947,32.225 309.467,32.745 310.08,32.745 310.836,33.501 317.963,33.501 319.586,31.879 319.904,31.879 319.926,31.856 321.305,31.856 321.451,32.003 323.395,32.003 324.301,31.097 325.661,31.097 326.333,30.424 330.786,30.424 330.925,30.285 339.101,30.285 339.753,30.937 340.539,30.937 341.448,31.847 342.763,31.847 342.829,31.781 v1(343.002,31.953)
ALERTN_CH6: IC1.85 IC9_2.2 LD4_2.1 R57_2.1 | length 99.1
  Component Side w0.152: v1(343.51,32.563) 346.413,35.466 346.413,53.3 348.04,54.927 358.165,54.927 358.287,55.049 IC1.85@359.353,55.049
  Component Side w0.254: IC9_2.2@285.047,35.564 286.819,35.564 287.249,35.135 291.723,35.135 v1(291.826,35.032) 292.053,34.804 LD4_2.1@292.053,34.254
  Signal Layer 1 w0.152: v1(291.826,35.032) 294.718,32.139 295.967,32.139 296.153,31.953 305.899,31.953 305.923,31.977 306.953,31.977 308.782,33.806 318.089,33.806 319.712,32.183 320.03,32.183 320.053,32.161 320.539,32.161 320.686,32.308 323.521,32.308 324.261,31.567 327.313,31.567 327.706,31.174 330.757,31.174 331.265,31.683 336.347,31.683 336.462,31.567 337.129,31.567 337.344,31.783 338.207,31.783 338.209,31.78 340.771,31.78 341.554,32.563 v1(343.51,32.563)
ALERTN_CH7: IC1.86 IC9_1.2 LD4_1.1 R57_1.1 | length 53.6
  Component Side w0.152: v1(345.978,34.254) 346.717,34.993 346.717,53.173 348.093,54.549 IC1.86@359.353,54.549
  Component Side w0.254: IC9_1.2@328.047,35.564 330.05,35.564 330.479,35.135 v1(334.594,35.135) 334.594,34.82 LD4_1.1@335.151,34.263
  Signal Layer 1 w0.152: v1(334.594,35.135) 334.601,35.135 335.559,36.093 340.335,36.093 341.143,36.901 343.5,36.901 345.978,34.423 v1(345.978,34.254)
BOOT_SW: J2.1 R42.1 | length 8.8
  Component Side w0.152: R42.1@382.092,14.338 382.092,8.94 J2.1@384.508,6.524
DXN_1: C111_1.1 C112_1.1 IC18_1.11 J4.2 | length 35.4
  Component Side w0.152: C111_1.1@364.703,84.754 365.178,85.229 365.178,85.354 365.228,85.354 C112_1.1@366.228,86.354 365.701,86.882 IC18_1.11@365.701,88.304 365.701,89.177 366.16,89.636 369.884,89.636 370.646,90.398 371.967,90.398 372.146,90.577 373.327,90.577 374.281,91.531 375.65,91.531 376.499,92.379 376.499,93.749 377.79,95.04 379.193,95.04 379.245,95.093 381.004,95.093 381.036,95.124 384.676,95.124 v1(385.231,95.679)
  Solder Side w0.152: v1(385.231,95.679) 386.17,94.74 388.017,94.74 388.562,95.285 388.562,95.877 J4.2@390.347,97.663
DXN_2: C111_2.1 C112_2.1 IC18_2.11 J4.5 | length 32.8
  Component Side w0.152: C112_2.1@372.878,84.754 372.878,84.829 C111_2.1@371.353,86.354 371.676,86.677 IC18_2.11@371.676,88.354 371.676,89.419 372.282,89.419 372.525,89.662 373.706,89.662 374.66,90.617 376.029,90.617 377.413,92.001 377.413,93.37 378.169,94.126 386.287,94.126 387.701,95.539 387.701,95.977 387.348,96.329 385.002,96.329 384.061,97.271 384.061,98.996 J4.5@385.267,100.203
DXN_3: C111_3.1 C112_3.1 IC18_3.11 J4.8 | length 33
  Component Side w0.152: C111_3.1@358.228,84.929 358.253,84.929 359.003,85.679 359.003,85.879 359.653,86.529 C112_3.1@359.728,86.529 359.728,87.254 359.601,87.381 IC18_3.11@359.601,88.404 359.601,89.651 359.728,89.779 359.728,90.254 360.103,90.629 365.296,90.629 365.35,90.575 365.642,90.575 365.667,90.55 369.505,90.55 370.267,91.312 371.588,91.312 371.767,91.491 372.948,91.491 373.902,92.446 375.272,92.446 375.584,92.758 375.584,94.127 377.411,95.954 378.814,95.954 379.075,96.215 380.625,96.215 380.803,96.393 381.457,96.393 J4.8@382.727,97.663
DXP1_1: C111_1.2 IC18_1.9 J4.1 | length 41.1
  Component Side w0.152: C111_1.2@364.703,86.354 364.431,86.626 IC18_1.9@364.431,88.304 364.431,89.566 364.827,89.962 365.393,89.962 365.451,89.904 365.997,89.904 366.034,89.94 369.758,89.94 370.52,90.702 371.841,90.702 372.02,90.882 373.201,90.882 374.155,91.836 375.524,91.836 376.194,92.506 376.194,93.875 377.664,95.345 379.066,95.345 379.119,95.398 380.878,95.398 380.909,95.429 384.478,95.429 v1(384.478,95.679)
  Solder Side w0.152: v1(384.478,95.679) 385.722,94.435 391.034,94.435 392.379,95.78 392.379,98.171 J4.1@390.347,100.203
DXP1_2: C111_2.2 IC18_2.9 J4.4 | length 27.3
  Component Side w0.152: C111_2.2@371.353,84.754 370.406,85.701 IC18_2.9@370.406,88.354 370.406,89.295 370.835,89.724 372.156,89.724 372.399,89.967 373.579,89.967 374.534,90.922 375.903,90.922 377.108,92.127 377.108,93.496 378.043,94.43 385.482,94.43 386.512,95.46 386.874,95.46 v1(387.172,95.758)
  Signal Layer 1 w0.152: v1(387.172,95.758) 387.807,96.393 J4.4@387.807,97.663
DXP1_3: C111_3.2 IC18_3.9 J4.7 | length 36.4
  Component Side w0.152: C111_3.2@358.228,86.529 358.331,86.632 IC18_3.9@358.331,88.404 358.338,88.411 358.338,90.007 358.331,90.014 358.331,90.131 359.153,90.954 365.402,90.954 365.477,90.88 365.768,90.88 365.793,90.855 369.379,90.855 370.141,91.617 371.462,91.617 371.641,91.796 372.822,91.796 373.776,92.75 375.145,92.75 375.279,92.884 375.279,94.254 377.285,96.259 378.688,96.259 378.948,96.52 378.948,100.742 379.438,101.231 381.325,101.231 382.354,100.203 J4.7@382.727,100.203
DXP2_1: C112_1.2 IC18_1.12 J4.3 | length 36.4
  Component Side w0.152: C112_1.2@366.228,84.754 366.957,85.483 366.957,86.924 366.823,87.058 366.55,87.058 366.336,87.271 IC18_1.12@366.336,88.304 366.336,89.262 366.405,89.331 370.01,89.331 370.708,90.029 372.029,90.029 372.272,90.272 373.453,90.272 374.407,91.226 375.777,91.226 376.803,92.253 376.803,93.622 377.916,94.735 385.039,94.735 v1(385.983,95.679)
  Solder Side w0.152: v1(385.983,95.679) 386.533,95.129 387.94,95.129 388.257,95.446 388.257,96.003 388.836,96.582 388.836,98.268 388.657,98.447 388.657,99.353 J4.3@387.807,100.203
DXP2_2: C112_2.2 IC18_2.12 J4.6 | length 26.2
  Component Side w0.152: C112_2.2@372.878,86.354 372.311,86.922 IC18_2.12@372.311,88.354 372.311,89.115 372.413,89.115 372.477,89.178 372.517,89.178 372.517,89.224 372.651,89.358 373.832,89.358 374.786,90.312 376.155,90.312 377.718,91.874 377.718,93.243 378.295,93.821 386.414,93.821 388.006,95.413 388.006,96.103 387.475,96.634 386.296,96.634 J4.6@385.267,97.663
DXP2_3: C112_3.2 IC18_3.12 J4.9 | length 39.2
  Component Side w0.152: C112_3.2@359.728,84.929 359.753,84.904 360.428,84.904 360.603,85.079 360.603,86.351 360.583,86.371 360.583,87.174 360.236,87.522 IC18_3.12@360.236,88.404 360.236,89.255 360.717,89.736 361.198,89.736 361.728,90.267 365.519,90.267 365.557,90.229 365.603,90.229 365.619,90.245 369.632,90.245 370.394,91.007 371.714,91.007 371.894,91.186 373.074,91.186 374.029,92.141 375.398,92.141 375.889,92.632 375.889,94.001 377.538,95.65 378.94,95.65 379.201,95.91 380.752,95.91 380.87,96.029 383.156,96.029 383.184,96 383.622,96 383.932,96.31 383.932,96.969 383.756,97.145 383.756,98.347 383.17,98.933 381.457,98.933 J4.9@380.187,100.203
EN_BIAS_1: IC14_1.6 R32_1.2 T5_1.1 | length 10.9
  Component Side w0.254: IC14_1.6@334.882,31.764 335.055,31.591 335.602,31.591 336.039,31.154 v1(336.128,31.154) 336.194,31.088 336.194,30.797 336.846,30.146 R32_1.2@336.866,30.146
  Solder Side w0.254: T5_1.1@329.778,27.896 329.778,28.616 330.265,29.103 333.94,29.103 335.991,31.154 v1(336.128,31.154)
EN_BIAS_2: IC14_2.6 R32_2.2 T5_2.1 | length 15.6
  Component Side w0.254: IC14_2.6@291.882,31.764 292.739,31.764 293.028,31.475 293.028,31.145 293.528,30.645 v1(293.528,27.82) 293.528,27.726 293.611,27.644 R32_2.2@293.611,26.906
  Solder Side w0.254: T5_2.1@286.178,27.763 286.178,28.737 286.455,29.014 288.056,29.014 288.368,29.326 288.848,29.326 289.161,29.014 292.907,29.014 293.528,28.392 v1(293.528,27.82)
EN_BIAS_3: IC14_3.6 R32_3.2 T5_3.1 | length 15
  Component Side w0.152: 251.542,30.202 251.682,30.062 R32_3.2@252.528,30.062
  Component Side w0.254: IC14_3.6@249.882,31.764 250.764,31.764 251.542,30.985 251.542,30.202 ; 251.542,30.202 251.542,29.502 251.828,29.216 v1(251.828,28.454)
  Solder Side w0.152: T5_3.1@244.113,27.854 244.669,27.854 244.8,27.984 244.8,28.862 245.309,29.371 246.244,29.371 246.984,28.631 248.705,28.631 248.828,28.754 251.359,28.754 251.659,28.454 v1(251.828,28.454)
EN_BIAS_4: IC14_4.6 R32_4.2 T5_4.1 | length 16.1
  Component Side w0.254: IC14_4.6@207.882,31.764 209.179,31.764 209.528,31.415 v1(209.528,28.354) 209.528,27.441 210.055,26.914 210.43,26.914 210.748,27.231 R32_4.2@211.527,27.231
  Solder Side w0.152: T5_4.1@201.878,27.763 202.378,27.763 203.132,28.517 v1@209.528,28.517
EN_BIAS_5: IC14_5.6 R32_5.2 T5_5.1 | length 15.2
  Component Side w0.152: v1(160.227,29.132) 160.552,28.807 160.552,28.768 R32_5.2@160.766,28.554 ; IC14_5.6@165.882,31.764 166.908,31.764 168.072,30.6 168.072,30.361 167.927,30.216 167.927,29.79 v1(167.841,29.705)
  Solder Side w0.152: T5_5.1@159.969,27.754 159.969,28.397 160.227,28.654 v1(160.227,29.132) ; 160.54,29.04 166.164,29.04 166.979,28.225 167.747,28.225 168.056,28.535 168.056,28.973 167.853,29.176 167.853,29.693 v1(167.841,29.705)
EN_BIAS_6: IC14_6.6 R32_6.2 T5_6.1 | length 15.6
  Component Side w0.152: 125.144,29.864 125.699,29.864 R32_6.2@125.789,29.954
  Component Side w0.254: IC14_6.6@123.882,31.764 124.718,31.764 125.144,31.339 125.144,29.864 125.144,29.124 125.568,28.7 v1(125.568,27.305)
  Solder Side w0.152: T5_6.1@117.978,27.763 118.091,27.876 118.091,28.427 118.227,28.563 118.589,28.563 118.809,28.783 119.247,28.783 119.466,28.563 121.539,28.563 122.031,28.071 122.522,28.071 122.641,28.189 123.383,28.189 123.756,27.816 123.756,27.546 124.129,27.174 124.722,27.174 124.854,27.305 v1(125.568,27.305)
EN_BIAS_7: IC14_7.6 R32_7.2 T5_7.1 | length 16.1
  Component Side w0.254: IC14_7.6@81.882,31.764 82.725,31.764 83.272,31.217 84.818,29.672 84.818,28.564 v1(84.828,28.554)
  Solder Side w0.152: T5_7.1@75.878,27.763 76.35,27.763 76.5,27.913 76.5,28.144 76.3,28.344 76.3,28.782 76.609,29.092 77.056,29.092 77.517,28.631 82.904,28.631 83.709,27.825 84.189,27.825 84.828,28.464 v1(84.828,28.554)
EN_BIAS_8: IC14_8.6 R32_8.2 T5_8.1 | length 12.4
  Component Side w0.254: IC14_8.6@39.882,31.735 39.93,31.783 40.349,31.364 41.049,31.364 41.528,30.885 41.48,30.838 41.48,28.602 v1(41.528,28.554)
  Solder Side w0.254: T5_8.1@34.378,27.82 34.378,27.97 35.033,28.624 40.641,28.624 41.123,28.142 41.528,28.547 v1(41.528,28.554)
EN_PWR_CH0: IC1.114 R85_8.2 R88_8.2 | length 371.6
  Component Side w0.152: v1(349.615,20.615) 349.615,26.578 352.349,29.312 355.001,29.312 363.876,38.187 363.876,41.526 IC1.114@363.803,41.599
  Component Side w0.254: R88_8.2@38.291,28.321 R85_8.2@39.408,28.321 39.408,27.648 v1(39.395,27.635)
  Signal Layer 1 w0.152: v1(39.395,27.635) 41.377,29.616 42.757,29.616 43.109,29.264 43.547,29.264 43.9,29.616 54.924,29.616 55.51,29.031 68.229,29.031 68.72,29.521 73.885,29.521 77.602,25.805 77.602,25.257 77.911,24.948 78.349,24.948 78.395,24.994 79.553,24.994 81.047,26.487 84.982,26.487 84.998,26.472 85.055,26.472 85.385,26.141 90.266,26.141 90.279,26.128 97.07,26.128 99.846,28.904 109.117,28.904 109.652,29.439 112.801,29.439 113.233,29.007 115.272,29.007 116.283,27.996 116.786,27.996 118.466,26.316 118.466,25.171 119.431,24.206 121.59,24.206 123.52,26.137 126.361,26.137 126.941,26.716 138.181,26.716 140.986,29.521 151.164,29.521 151.763,30.12 158.06,30.12 159.482,28.698 159.482,25.625 161.587,23.52 164.175,23.52 167.966,27.311 168.441,27.311 169.959,28.829 180.412,28.829 181.13,28.111 185.512,28.111 186.23,28.829 188.485,28.829 189.214,28.101 197.011,28.101 197.637,28.727 198.354,28.727 198.909,29.283 199.927,29.283 201.596,27.614 204.751,27.614 206.373,29.235 209.268,29.235 210.28,30.247 211.173,30.247 211.199,30.221 211.224,30.247 212.333,30.247 212.628,29.951 217.328,29.951 217.4,30.023 223.182,30.023 224.301,28.904 228.913,28.904 228.938,28.879 230.524,28.879 231.386,28.016 237.339,28.016 237.923,27.432 239.092,27.432 240.087,26.437 241.9,26.437 242.119,26.218 244.944,26.218 246.878,28.152 250.05,28.152 250.081,28.183 250.935,28.183 251.192,27.925 252.047,27.925 252.435,28.313 252.435,28.508 252.823,28.897 254.227,28.897 254.523,29.193 260.174,29.193 260.21,29.157 261.658,29.157 261.695,29.193 263.584,29.193 264.888,27.889 267.057,27.889 270.003,24.943 272.489,24.943 273.861,26.314 277.201,26.314 278.728,24.787 282.773,24.787 282.994,24.567 285.093,24.567 285.554,25.027 289.377,25.027 289.537,25.187 295.582,25.187 295.615,25.153 299.841,25.153 300.413,25.725 300.499,25.725 300.509,25.715 302.123,25.715 302.489,25.349 310.237,25.349 311.43,24.155 315.843,24.155 316.544,23.454 316.544,23.01 317.473,22.081 320.876,22.081 321.382,22.587 324.357,22.587 325.05,21.895 328.37,21.895 328.725,22.25 333.173,22.25 334.808,20.615 v1(349.615,20.615)
EN_PWR_CH1: IC1.115 R85_7.2 R88_7.2 | length 331.3
  Component Side w0.152: v1(350.144,21.661) 350.144,26.37 352.781,29.007 355.127,29.007 364.303,38.183 IC1.115@364.303,41.599
  Component Side w0.254: R88_7.2@80.291,28.35 80.874,28.35 ; v1(80.874,27.686) 80.874,28.35 ; R85_7.2@81.408,28.35 80.874,28.35
  Signal Layer 1 w0.152: v1(80.874,27.686) 81.386,27.174 84.212,27.174 84.872,27.834 85.562,27.834 85.77,27.625 97.489,27.625 99.377,29.514 107.553,29.514 108.522,30.483 114.46,30.483 114.793,30.15 116.055,30.15 117.157,29.048 117.157,28.61 117.095,28.548 119.456,26.187 119.456,25.273 119.883,24.846 121.209,24.846 123.134,26.772 126.134,26.772 126.688,27.325 130.891,27.325 131.158,27.592 135.361,27.592 135.628,27.325 137.13,27.325 139.418,29.614 139.418,29.879 139.728,30.189 139.993,30.189 140.112,30.308 140.112,30.573 142.431,32.892 146.437,32.892 147.755,31.574 150.778,31.574 151.406,30.946 152.889,30.946 153.565,31.622 158.484,31.622 160.884,29.222 160.884,28.802 160.276,28.195 160.276,25.693 161.738,24.232 164.024,24.232 167.713,27.921 168.189,27.921 169.707,29.439 180.665,29.439 181.383,28.721 182.073,28.721 182.313,28.961 183.275,28.961 183.753,29.439 188.738,29.439 189.466,28.71 192.87,28.71 193.708,29.549 195.713,29.549 197.482,31.317 199.436,31.317 202.465,28.288 204.563,28.288 206.12,29.845 209.016,29.845 210.027,30.856 212.585,30.856 212.88,30.561 217.076,30.561 217.313,30.798 223.82,30.798 224.209,31.187 224.973,31.187 225.461,30.699 225.461,30.393 226.341,29.514 229.165,29.514 229.191,29.488 230.776,29.488 231.639,28.626 237.592,28.626 238.176,28.042 239.344,28.042 240.081,27.305 241.894,27.305 242.371,26.827 244.691,26.827 246.625,28.761 249.797,28.761 249.972,28.935 251.131,28.935 251.701,29.506 253.974,29.506 254.271,29.803 260.426,29.803 260.463,29.766 261.406,29.766 261.442,29.803 263.836,29.803 265.14,28.499 267.31,28.499 270.256,25.552 272.236,25.552 273.684,27 277.877,27 278.053,26.824 278.053,26.325 278.981,25.397 283.025,25.397 283.246,25.176 284.84,25.176 285.301,25.637 289.124,25.637 289.284,25.797 295.834,25.797 295.868,25.763 299.588,25.763 300.16,26.335 300.751,26.335 300.762,26.325 302.375,26.325 302.742,25.958 310.618,25.958 311.811,24.765 316.095,24.765 317.154,23.707 317.154,23.262 317.725,22.691 320.624,22.691 321.13,23.197 324.61,23.197 325.302,22.504 328.117,22.504 328.473,22.86 333.578,22.86 335.021,21.417 338.875,21.417 339.119,21.661 v1(350.144,21.661)
EN_PWR_CH2: IC1.116 R85_6.2 R88_6.2 | length 281.3
  Component Side w0.152: v1(350.672,22.657) 350.672,23.246 350.449,23.47 350.449,25.786 353.365,28.702 355.253,28.702 364.803,38.251 IC1.116@364.803,41.599
  Component Side w0.254: R88_6.2@122.291,28.35 122.86,28.35 ; v1(122.86,27.661) 122.86,28.35 ; R85_6.2@123.408,28.35 122.86,28.35
  Signal Layer 1 w0.152: v1(122.86,27.661) 123.846,28.646 127.142,28.646 127.183,28.687 137.374,28.687 138.809,30.122 138.809,30.131 139.475,30.798 139.485,30.798 139.503,30.816 139.503,30.825 142.179,33.501 146.69,33.501 148.008,32.183 151.03,32.183 151.053,32.161 152.178,32.161 152.325,32.308 158.661,32.308 161.571,29.398 161.571,28.627 160.919,27.976 160.919,25.912 161.99,24.841 163.053,24.841 165.699,27.488 165.699,28.311 167.622,30.233 181.922,30.233 182.585,29.57 183.023,29.57 183.501,30.048 188.99,30.048 189.633,29.406 192.192,29.406 192.944,30.158 193.556,30.158 193.904,30.505 195.808,30.505 197.229,31.927 199.688,31.927 202.717,28.897 204.284,28.897 205.892,30.505 208.712,30.505 209.672,31.466 212.838,31.466 213.133,31.171 216.823,31.171 217.061,31.408 223.568,31.408 223.957,31.797 225.225,31.797 226.071,30.952 226.071,30.876 226.823,30.123 229.418,30.123 229.443,30.098 231.029,30.098 231.556,29.57 233.899,29.57 234.401,30.072 238.395,30.072 239.785,28.683 240.87,28.683 241.363,28.189 244.022,28.189 245.203,29.371 245.546,29.371 249.545,29.371 249.719,29.545 250.878,29.545 251.449,30.116 253.174,30.116 253.47,30.412 260.679,30.412 260.715,30.376 261.153,30.376 261.19,30.412 264.089,30.412 265.393,29.108 267.615,29.108 270.562,26.162 271.78,26.162 273.274,27.656 279.263,27.656 279.716,27.203 281.229,27.203 281.61,26.822 283.754,26.822 284.211,26.365 285.953,26.365 286.614,27.026 287.778,27.026 287.804,26.999 290.603,26.999 291.195,26.407 296.087,26.407 296.12,26.373 299.336,26.373 299.908,26.945 301.004,26.945 301.014,26.934 302.628,26.934 302.994,26.568 310.947,26.568 312.09,25.425 315.468,25.425 315.824,25.781 320.947,25.781 322.145,24.583 325.659,24.583 326.518,23.724 328.013,23.724 328.08,23.656 328.518,23.656 328.586,23.724 333.858,23.724 335.555,22.027 338.622,22.027 338.948,22.352 347.066,22.352 347.37,22.657 v1(350.672,22.657)